# Altium PCB ultra.PcbDoc (part 9 of 9)
Units mm, origin at the board's own origin, x right, y up, seen from the top; angles counter-clockwise.
Board outline 210 x 210 mm, 2 copper layers (Top Layer, Bottom Layer), stack 1.591 mm thick; 722 components, 1083 nets, 2232 pads, 1540 vias.
Unrouted connection lines stored in the file: 21.
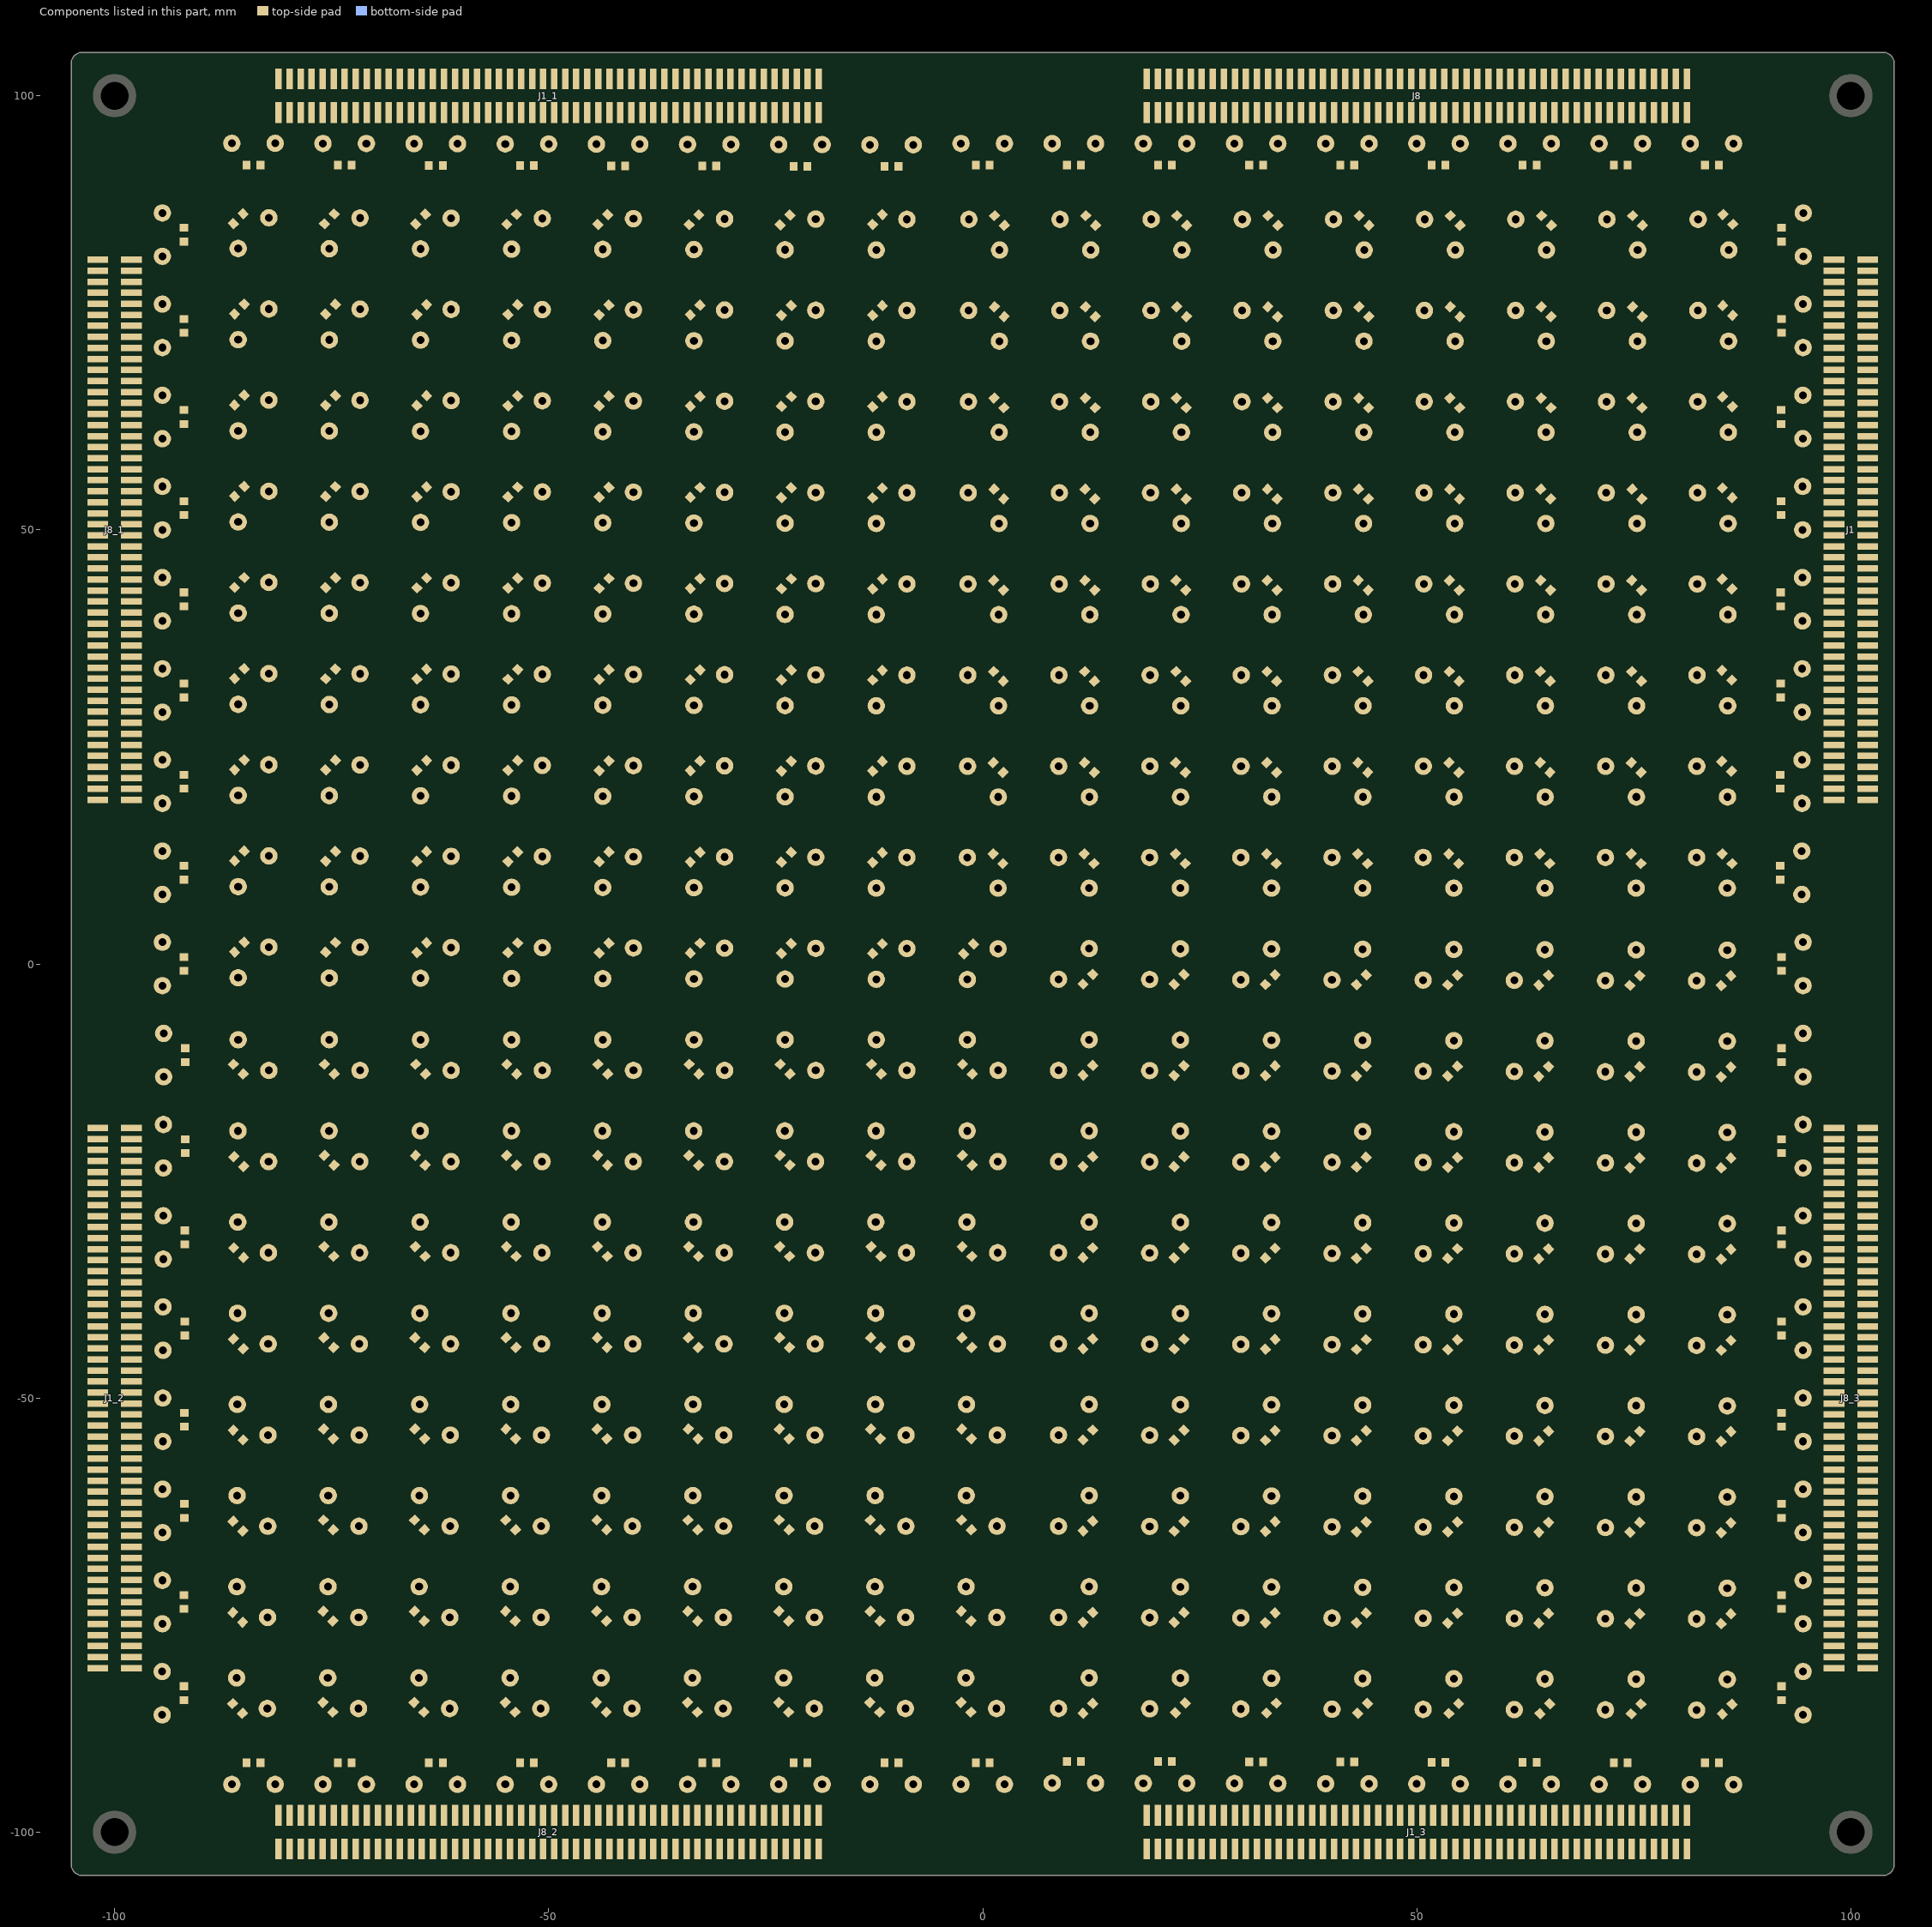
[diagram p9: the components of this part, seen from the top]

## Via types
v1: diameter 0.6, hole 0.3, Top Layer to Bottom Layer, tented both sides, 784 vias
v2: diameter 0.8, hole 0.4, Top Layer to Bottom Layer, tented both sides, 756 vias

## Nets (pads, with @x,y where several pads share a name; then routed paths per layer and width w, separated by ;. In a path a pad name is that pad's centre, name@x,y a point inside that pad or via, vN(x,y) a via of type N, cw(c..) or ccw(c..) an arc to the next point about the centre after c; other vN are vias at no path point) (continued)
copper on no net: (continued)
  Bottom Layer w0.5: v2(-32.893,100) -32.893,97.111 -31.3,95.518 -31.3,94.72 -30.239,93.659 -30.239,93.322 -28.418,91.501 -28.418,87.96 -24.674,84.216 -24.674,81.177 -24.524,81.027 -24.524,80.607 -19.469,75.552 ; v2(-31.623,99.974) -26.95,95.301 -26.95,89.947 -15.936,78.933 -15.936,74.737 -15.85,74.651 -15.85,71.933 -8.708,64.792 ; v2(-31.585,-101.95) -31.585,-101.068 -30.772,-100.255 -30.772,-100.091 -30.304,-99.623 -30.304,-99.374 -29.455,-98.524 -29.206,-98.524 -24.9,-94.218 -24.9,-93.92 -24.08,-93.1 -23.782,-93.1 -21.662,-90.98 -21.662,-84.718 -12.395,-75.452 -12.395,-72.441 ; v2(-31.572,-99.924) -31.524,-99.924 -30.954,-99.354 -30.954,-99.105 -29.724,-97.874 -29.475,-97.874 -25.55,-93.949 -25.55,-93.651 -24.349,-92.45 -24.051,-92.45 -22.312,-90.711 -22.312,-84.237 v2(-15.545,-77.47) ; v2(-31.14,93.396) -31.14,93.304 -29.068,91.231 -29.068,87.691 -25.324,83.947 v2(-25.324,80.696) ; v2(-30.556,95.936) -30.42,95.8 -28.42,95.8 -27.6,94.98 -27.6,89.678 -16.586,78.664 v2(-16.586,70.891) ; v2(-30.302,-101.27) -29.654,-100.622 -29.654,-99.643 -29.186,-99.174 -28.207,-99.174 -26.035,-97.003 -24.023,-97.003 -22.1,-95.08 -22.1,-92.338 -21.012,-91.249 -21.012,-84.987 -1.981,-65.957 -1.981,-61.036 ; v2(-29.134,100.051) -26.3,97.217 -26.3,92.645 -19.723,86.068 ; v2(-29.045,-101.95) -29.045,-101.851 -25.497,-98.303 -23.484,-98.303 -21.6,-96.418 -20.371,-96.418 -18.86,-94.907 ; v2(-28.854,-99.974) -28.704,-99.824 -27.938,-99.824 -25.766,-97.653 -23.753,-97.653 -21.45,-95.349 -21.45,-94.221 v2(-20.93,-93.701) ; v2(-27.788,100) -27.788,99.624 -25.65,97.486 -25.65,95.271 -25.629,95.25 -25.629,93.421 -20.066,87.859 -19.075,87.859 -16.434,85.217 -16.434,82.652 -9.106,75.324 ; v2(-27.775,-101.95) -24.778,-98.953 -23.215,-98.953 -21.331,-97.068 -19.089,-97.068 -12.471,-90.451 -12.471,-81.509 ; v2(-27.305,-45.872) -25.857,-45.872 -15.85,-35.865 -15.85,-29.134 -13.03,-26.314 -6.528,-26.314 v2(-4.445,-24.232) ; v2(-26.505,-101.95) -26.505,-101.599 -24.508,-99.603 -22.946,-99.603 -21.062,-97.718 -18.819,-97.718 -11.043,-89.942 -11.043,-80.791 -1.753,-71.501 ; v2(-26.492,100.076) -23.52,97.104 -23.52,93.675 ; v2(-25.222,-101.727) -23.748,-100.253 -22.677,-100.253 -20.792,-98.368 -11.831,-98.368 -7.823,-94.361 -7.112,-94.361 ; v2(-25.095,99.974) -21.107,95.987 -17.882,95.987 -15.951,94.056 -15.951,92.837 -8.915,85.801 ; v2(-23.952,-101.879) -22.975,-100.903 -22.407,-100.903 -20.792,-99.288 -10.388,-99.288 -5.08,-93.98 -5.08,-85.014 -2.324,-82.258 ; v2(-23.825,100.025) -20.437,96.637 -17.612,96.637 -15.311,94.336 -13.411,94.336 ; 8.103,-1.778 12.691,-1.778 50.06,-39.147 53.259,-39.147 53.474,-38.932 54.848,-38.932 55.062,-39.147 55.885,-39.147 57.328,-40.589 57.328,-40.95 59.832,-43.454 59.832,-44.473 63.517,-48.157 65.886,-48.157 67.468,-49.739 67.468,-52.559 72.206,-57.298 75.002,-57.298 80.597,-62.893 83.081,-62.893 87.03,-66.841 93.862,-66.841 93.92,-66.9 95.08,-66.9 95.085,-66.894 98.39,-66.894 99.276,-67.78 99.276,-67.845 99.961,-68.529 v2(100.025,-68.529) ; 8.23,-12.319 13.421,-12.319 80.696,-79.594 80.696,-91.741 82.9,-93.945 82.9,-95.105 80.65,-97.355 80.65,-100.582 78.423,-102.809 72.481,-102.809 70.028,-100.355 v2(70.028,-99.873) ; 8.255,-33.452 12.243,-33.452 26.416,-47.625 26.416,-54.127 31.868,-59.579 31.868,-61.862 32.688,-62.682 32.688,-62.707 45.389,-75.408 45.389,-82.171 46.145,-82.927 46.145,-87.863 46.094,-87.913 46.094,-92.201 47.2,-93.307 47.2,-95.468 50.673,-98.941 v2(50.673,-100.025) ; 8.708,-64.792 15.85,-71.933 15.85,-74.651 15.936,-74.737 15.936,-78.933 26.95,-89.947 26.95,-95.301 v2(31.623,-99.974) ; 8.732,-43.768 9.148,-43.768 16.332,-50.952 16.332,-53.373 19.83,-56.871 21.539,-56.871 25.692,-61.024 25.692,-64.596 30.814,-69.717 34.208,-69.717 36.79,-72.299 36.79,-90.58 37.652,-91.442 37.843,-91.442 38.1,-91.699 38.1,-95.825 40.236,-97.961 40.236,-99.875 41.453,-101.092 42.393,-101.092 42.951,-100.533 v2(42.951,-99.924) ; 8.915,-85.801 15.951,-92.837 15.951,-94.056 17.882,-95.987 21.107,-95.987 v2(25.095,-99.974) ; 9.042,-54.534 16.18,-61.671 16.18,-64.414 20.117,-68.351 22.479,-68.351 25.502,-71.374 25.502,-78.232 34.19,-86.92 34.19,-91.657 35.5,-92.967 35.5,-96.902 36.83,-98.232 v2(36.83,-99.949) ; 9.093,-22.86 12.446,-22.86 17.832,-28.246 17.832,-33.873 18.652,-34.693 22.704,-34.693 27.682,-39.671 27.682,-44.667 28.883,-45.868 31.456,-45.868 32.495,-46.906 32.495,-47.225 33.725,-48.455 33.937,-48.455 36.785,-51.303 36.785,-55.633 40.788,-59.636 40.788,-61.524 58.168,-78.905 58.168,-80.915 57.8,-81.284 57.8,-92.437 57.15,-93.087 57.15,-96.885 59.919,-99.654 v2(59.919,-99.949) ; 9.106,-75.324 16.434,-82.652 16.434,-85.217 19.075,-87.859 20.066,-87.859 25.629,-93.421 25.629,-95.25 25.65,-95.271 25.65,-97.486 27.788,-99.624 v2(27.788,-100) ; 13.411,-94.336 15.311,-94.336 17.612,-96.637 20.437,-96.637 v2(23.825,-100.025) ; v2(14.376,-6.985) 14.376,-9.417 18.652,-13.693 19.183,-13.693 24.168,-18.677 24.168,-19.233 29.152,-24.218 29.683,-24.218 34.668,-29.202 34.668,-29.758 39.652,-34.743 40.183,-34.743 45.168,-39.727 45.168,-40.283 50.152,-45.268 50.683,-45.268 55.668,-50.252 55.668,-50.808 60.652,-55.793 61.33,-55.793 70.332,-64.795 70.332,-65.498 71.152,-66.318 72.16,-66.318 v2(74.143,-68.301) ; v2(16.586,-70.891) 16.586,-78.664 27.6,-89.678 27.6,-94.98 28.42,-95.8 30.42,-95.8 v2(30.556,-95.936) ; 19.232,-64.77 22.987,-64.77 26.645,-68.428 26.645,-74.244 29.118,-76.718 30.337,-76.718 34.84,-81.22 34.84,-91.388 36.15,-92.698 36.15,-96.633 37.795,-98.278 v2(37.795,-99.924) ; 19.232,-12.243 22.237,-12.243 50.933,-40.939 52.895,-40.939 53.688,-41.732 54.848,-41.732 56.067,-40.513 v2(56.083,-40.513) ; 19.469,-75.552 24.524,-80.607 24.524,-81.027 24.674,-81.177 24.674,-84.216 28.418,-87.96 28.418,-91.501 30.239,-93.322 30.239,-93.659 31.3,-94.72 31.3,-95.518 32.893,-97.111 v2(32.893,-100) ; 19.66,-54.356 23.165,-54.356 27.508,-58.699 27.508,-64.574 29.61,-66.675 33.004,-66.675 38.09,-71.76 38.09,-81.711 39.856,-83.477 40.082,-83.477 40.551,-83.946 40.551,-83.971 42.634,-86.054 42.634,-86.717 42.45,-86.901 42.45,-95.725 42.507,-95.782 42.507,-96.445 42.45,-96.502 42.45,-98.36 43.213,-99.124 43.283,-99.124 43.751,-99.592 43.751,-99.662 43.917,-99.827 v2(43.917,-100.025) ; 19.66,-33.223 22.733,-33.223 28.332,-38.822 28.332,-44.398 29.152,-45.218 31.726,-45.218 33.145,-46.637 33.145,-46.956 33.994,-47.805 34.206,-47.805 37.435,-51.034 37.435,-55.364 41.057,-58.986 44,-58.986 47.382,-62.368 47.382,-67.2 58.818,-78.636 58.818,-81.185 58.45,-81.553 58.45,-92.707 57.8,-93.357 57.8,-96.616 60.884,-99.7 v2(60.884,-100.051) ; 19.685,-22.784 22.967,-22.784 80,-79.817 80,-100.313 78.154,-102.159 73.127,-102.159 v2(70.993,-100.025) ; 19.723,-86.068 26.3,-92.645 26.3,-97.217 v2(29.134,-100.051) ; 19.888,-1.651 23.678,-1.651 47.488,-25.461 55.006,-25.461 58.359,-28.814 58.359,-33.498 61.168,-36.307 66.665,-36.307 68.468,-38.11 68.468,-43.395 68.688,-43.616 68.688,-44.444 70.584,-46.34 78.45,-46.34 85.686,-53.575 94.205,-53.575 94.237,-53.543 95.555,-53.543 v2(100.051,-58.039) ; 23.52,-93.675 23.52,-97.104 v2(26.492,-100.076) ; v2(24.232,-4.445) 26.314,-6.528 26.314,-13.03 29.134,-15.85 35.865,-15.85 45.872,-25.857 v2(45.872,-27.305) ; v2(25.324,-80.696) 25.324,-83.947 29.068,-87.691 29.068,-91.231 31.14,-93.304 v2(31.14,-93.396) ; v2(26.492,-60.808) 26.858,-61.174 26.858,-64.843 31.083,-69.067 34.477,-69.067 37.44,-72.03 37.44,-90.311 37.921,-90.792 38.113,-90.792 40.132,-92.812 v2(40.259,-92.812) ; v2(28.067,-50.216) 28.067,-54.632 29.152,-55.718 30.389,-55.718 37.532,-62.861 37.532,-65.961 40.946,-69.374 43.579,-69.374 47.275,-73.071 47.275,-77.05 46.689,-77.636 46.689,-81.632 47.445,-82.389 47.445,-88.401 47.394,-88.452 47.394,-91.662 48.5,-92.768 48.5,-94.93 49.42,-95.85 51.425,-95.85 v2(51.791,-96.215) ; 29.362,-64.872 33.807,-64.872 38.832,-69.896 38.832,-81.534 40.125,-82.827 40.352,-82.827 41.201,-83.677 41.201,-83.702 43.284,-85.785 43.284,-86.986 43.1,-87.17 43.1,-95.456 43.157,-95.513 43.157,-96.714 43.1,-96.771 43.1,-97.431 45.136,-99.466 v2(45.136,-99.974) ; 29.718,-84.963 29.718,-90.962 31.352,-92.596 31.472,-92.596 31.95,-93.074 31.95,-95.249 33.312,-96.611 33.391,-96.611 34.011,-97.231 v2(34.011,-100.101) ; 29.732,-33.477 32.741,-33.477 63.282,-64.019 63.282,-64.069 79.35,-80.136 79.35,-100.043 77.893,-101.501 73.764,-101.501 v2(72.314,-100.051) ; 29.82,-54.23 38.182,-62.592 38.182,-65.692 41.215,-68.724 43.848,-68.724 47.925,-72.801 47.925,-77.319 47.339,-77.906 47.339,-81.363 48.095,-82.119 48.095,-88.67 48.044,-88.721 48.044,-89.384 48.095,-89.435 48.095,-89.737 48.044,-89.788 48.044,-90.451 48.513,-90.919 48.538,-90.919 51.994,-94.375 51.994,-95.262 53.137,-96.405 v2(53.137,-100) ; 29.972,-22.911 31.78,-22.911 50.458,-41.589 52.625,-41.589 53.419,-42.382 55.117,-42.382 56.011,-41.489 56.947,-41.489 59.182,-43.724 59.182,-44.742 63.248,-48.807 65.617,-48.807 66.818,-50.008 66.818,-52.828 71.937,-57.948 74.732,-57.948 77.318,-60.533 77.318,-62.805 80.868,-66.355 81.746,-66.355 83.532,-68.141 93.323,-68.141 93.382,-68.2 95.618,-68.2 95.624,-68.194 95.865,-68.194 98.689,-71.018 v2(100.025,-71.018) ; 30.048,-75.413 32.131,-75.413 35.141,-78.423 35.141,-79.148 35.49,-79.496 35.49,-91.118 36.8,-92.429 36.8,-96.363 38.786,-98.349 v2(38.786,-99.974) ; 30.099,-43.942 31.369,-43.942 33.795,-46.368 33.795,-46.686 34.263,-47.155 34.476,-47.155 38.085,-50.764 38.085,-55.095 41.326,-58.336 44.269,-58.336 48.032,-62.099 48.032,-65.986 49.614,-67.568 52.369,-67.568 56.582,-71.781 56.582,-75.48 59.468,-78.366 59.468,-81.454 59.1,-81.822 59.1,-92.976 58.45,-93.626 58.45,-96.347 v2(62.078,-99.974) ; 30.328,-12.446 33.553,-12.446 47.219,-26.111 54.737,-26.111 57.709,-29.083 57.709,-33.767 60.898,-36.957 66.396,-36.957 67.818,-38.379 67.818,-43.665 68.038,-43.885 68.038,-44.714 70.315,-46.99 78.181,-46.99 85.417,-54.225 91.745,-54.225 93.92,-56.4 96.862,-56.4 v2(100,-59.538) ; v2(30.455,-103.962) 32.537,-103.962 34.925,-101.575 34.925,-99.797 34.684,-99.555 34.684,-94.488 ; 30.48,-1.829 33.228,-1.829 52.131,-20.732 55.215,-20.732 63.368,-28.885 63.368,-30.437 64.188,-31.257 65.74,-31.257 71.094,-36.612 74.396,-36.612 79.677,-41.893 83.081,-41.893 86.021,-44.832 92.211,-44.832 93.374,-45.995 96.655,-45.995 100.063,-49.403 v2(100.254,-49.403) ; v2(31.521,-87.681) 31.521,-91.846 31.621,-91.946 31.741,-91.946 32.6,-92.805 32.6,-94.98 33.581,-95.961 v2(33.884,-95.961) ; v2(33.147,-87.859) 33.147,-91.973 v2(33.655,-92.481) ; v2(34.595,-46.355) 38.735,-50.495 38.735,-54.825 41.595,-57.686 44.538,-57.686 48.682,-61.83 48.682,-65.717 49.883,-66.918 52.638,-66.918 57.232,-71.512 57.232,-75.211 63.144,-81.123 63.144,-82.714 64.478,-84.047 64.478,-86.282 62.15,-88.61 62.15,-95.914 v2(61.874,-96.19) ; v2(35.865,-99.974) 36.03,-100.14 36.03,-100.28 36.499,-100.749 36.639,-100.749 39.954,-104.064 42.926,-104.064 46.025,-100.965 46.025,-98.704 44.425,-97.104 44.425,-94.209 ; v2(35.941,-78.816) 36.013,-78.816 36.14,-78.943 36.14,-90.849 37.45,-92.16 37.45,-96.094 39.586,-98.23 39.586,-100.144 40.564,-101.122 v2(40.564,-103.073) ; v2(36.932,-59.03) 36.982,-59.03 37.059,-58.953 38.832,-60.727 38.832,-65.423 41.484,-68.074 44.117,-68.074 48.575,-72.532 48.575,-77.589 47.989,-78.175 47.989,-79.915 49.621,-81.547 49.785,-81.547 53.681,-85.442 53.681,-89.996 52.3,-91.376 52.3,-93.242 v2(52.146,-93.396) ; v2(38.252,-89.992) 38.252,-85.75 39.726,-84.277 v2(39.751,-84.277) ; 40.03,-75.819 40.03,-81.813 40.394,-82.177 40.621,-82.177 41.851,-83.407 41.851,-83.433 43.934,-85.516 43.934,-87.255 43.75,-87.439 43.75,-91.695 45.9,-93.845 45.9,-96.192 47.117,-97.409 v2(47.117,-100.025) ; 40.217,-33.359 49.24,-42.382 52.499,-42.382 53.149,-43.032 55.386,-43.032 56.28,-42.139 56.678,-42.139 58.532,-43.993 58.532,-45.011 62.978,-49.457 65.348,-49.457 66.168,-50.277 66.168,-53.098 71.668,-58.598 74.463,-58.598 76.668,-60.802 76.668,-63.074 80.599,-67.005 81.476,-67.005 83.263,-68.791 93.054,-68.791 93.112,-68.85 95.601,-68.85 99.014,-72.263 v2(100,-72.263) ; 40.232,-54.153 43.942,-54.153 49.332,-59.543 49.332,-65.448 50.152,-66.268 52.907,-66.268 57.882,-71.242 57.882,-74.942 60.383,-77.443 61.914,-77.443 66.168,-81.697 66.168,-85.511 62.8,-88.879 62.8,-96.413 63.322,-96.936 v2(63.322,-100.051) ; 40.232,-1.88 43.409,-1.88 53.274,-11.745 55.838,-11.745 60.247,-16.154 66.04,-16.154 68.707,-18.821 68.707,-23.343 71.857,-26.492 76.276,-26.492 77.699,-27.915 77.699,-33.255 79.715,-35.271 89.289,-35.271 90.818,-36.8 95.618,-36.8 100.551,-41.732 v2(101.143,-41.732) ; 40.488,-12.319 42.799,-12.319 52.665,-22.185 55.748,-22.185 62.718,-29.155 62.718,-30.706 63.919,-31.907 65.47,-31.907 70.825,-37.262 74.127,-37.262 79.408,-42.543 82.812,-42.543 85.752,-45.482 91.942,-45.482 93.104,-46.645 96.386,-46.645 99.234,-49.493 99.234,-49.512 99.454,-49.731 99.454,-49.734 99.922,-50.203 99.925,-50.203 100.319,-50.597 v2(100.762,-50.597) ; 40.576,-23.178 48.87,-31.471 54.493,-31.471 63.368,-40.346 63.368,-40.937 64.188,-41.757 64.991,-41.757 67.388,-44.154 67.388,-44.983 74.862,-52.457 76.982,-52.457 80.94,-56.415 93.015,-56.415 93.651,-57.05 95.968,-57.05 99.751,-60.833 v2(100.127,-60.833) ; v2(40.615,-72.873) 41.632,-73.89 41.632,-75.923 41.605,-75.95 v2(41.605,-81.204) ; 40.691,-64.973 40.996,-64.973 41.046,-64.922 41.097,-64.922 41.352,-64.667 41.63,-64.667 49.225,-72.263 49.225,-77.858 48.639,-78.444 48.639,-79.645 49.89,-80.897 50.054,-80.897 54.331,-85.173 54.331,-90.265 52.95,-91.645 52.95,-95.299 54.381,-96.731 v2(54.381,-99.949) ; 40.742,-43.866 42.21,-43.866 62.632,-64.288 62.632,-64.338 78.7,-80.406 78.7,-99.774 77.649,-100.825 76.404,-100.825 76.379,-100.851 74.333,-100.851 v2(73.533,-100.051) ; v2(40.912,-87.355) 40.912,-87.143 41.057,-87.287 41.057,-92.478 41.059,-92.48 41.059,-94.371 41.057,-94.374 41.057,-95.632 40.907,-95.782 40.907,-99.2 41.681,-99.974 v2(41.681,-100.025) ; v2(41.707,-96.114) 41.712,-96.108 41.712,-86.543 41.681,-86.512 41.808,-86.385 v2(41.834,-86.385) ; v2(44.704,-5.359) 44.704,-6.172 47.396,-8.865 47.396,-11.608 49.759,-13.97 56.224,-13.97 56.731,-14.477 56.731,-14.506 78.796,-36.571 88.751,-36.571 90.28,-38.1 95.08,-38.1 95.9,-38.92 95.9,-40.437 95.982,-40.437 95.758,-40.661 v2(95.758,-40.437) ; v2(45.339,-87.503) 45.339,-87.528 44.856,-88.011 44.4,-88.467 44.4,-91.426 46.55,-93.576 46.55,-95.738 48.108,-97.295 v2(48.108,-100.051) ; v2(46.228,-73.355) 46.228,-73.482 46.039,-73.671 46.039,-81.902 46.795,-82.658 46.795,-88.132 46.744,-88.183 46.744,-91.932 47.85,-93.037 47.85,-95.199 49.151,-96.5 50.805,-96.5 51.892,-97.587 v2(51.892,-99.974) ; v2(46.634,-31.674) 53.243,-38.282 55.94,-38.282 58.173,-40.515 60.78,-40.515 61.418,-41.153 61.418,-41.745 65.228,-45.555 65.768,-45.555 74.544,-54.331 75.413,-54.331 75.472,-54.39 76.867,-54.39 80.193,-57.716 81.278,-57.716 81.28,-57.715 81.653,-57.715 81.654,-57.716 82.193,-57.716 82.194,-57.715 92.477,-57.715 93.112,-58.35 94.494,-58.35 v2(96.901,-60.757) ; v2(48.158,-51.562) 48.311,-51.562 49.332,-52.583 49.332,-54.948 50.152,-55.768 51.191,-55.768 59.182,-63.759 59.182,-69.444 70.955,-81.217 70.955,-81.738 71.918,-82.701 71.918,-83.77 73.215,-85.067 73.215,-90.425 71.578,-92.062 71.458,-92.062 69.6,-93.92 69.6,-95.08 70.761,-96.241 v2(71.577,-96.241) ; v2(48.844,-90.119) 52.273,-90.119 v2(52.73,-89.662) ; v2(48.844,-89.052) 48.997,-89.205 v2(51.765,-89.205) ; v2(49.454,-82.347) 50.851,-83.744 50.851,-85.868 ; v2(50.063,-77.775) 50.063,-77.939 49.289,-78.713 49.289,-79.376 50.159,-80.247 52.815,-80.247 v2(53.264,-80.696) ; v2(50.089,-79.045) 55.296,-79.045 56.5,-80.249 56.5,-80.264 56.667,-80.264 v2(56.718,-80.315) ; 50.114,-33.401 55.504,-33.401 62.718,-40.615 62.718,-41.206 63.919,-42.407 64.51,-42.407 66.058,-43.955 66.27,-43.955 66.738,-44.423 66.738,-45.252 74.593,-53.107 76.713,-53.107 80.671,-57.065 92.746,-57.065 93.382,-57.7 95.698,-57.7 v2(100.051,-62.052) ; 50.267,-1.93 54.305,-1.93 64.222,-11.847 65.831,-11.847 73.868,-19.883 73.868,-19.962 74.688,-20.782 74.767,-20.782 81.975,-27.991 87.736,-27.991 90.399,-30.653 94.895,-30.653 99.624,-35.382 v2(100.051,-35.382) ; 50.343,-43.866 56.021,-43.866 63.368,-51.213 63.368,-51.437 64.188,-52.257 64.408,-52.257 73.868,-61.717 73.868,-61.962 74.688,-62.782 75.457,-62.782 80.366,-67.691 81.243,-67.691 81.801,-68.249 81.801,-68.73 82.512,-69.441 92.785,-69.441 92.843,-69.5 95.332,-69.5 99.797,-73.965 v2(99.847,-73.965) ; 50.721,-54.379 59.832,-63.49 59.832,-65.473 60.652,-66.293 61.716,-66.293 69.639,-74.215 69.639,-76.223 73.868,-80.452 73.868,-82.962 75.165,-84.26 75.165,-93.135 74.6,-93.7 74.6,-99.924 v2(74.727,-100.051) ; 50.732,-64.922 54.254,-64.922 58.532,-69.2 58.532,-74.672 60.652,-76.793 62.183,-76.793 66.818,-81.428 66.818,-85.781 63.45,-89.148 63.45,-96.144 64.287,-96.982 v2(64.287,-100.025) ; 50.952,-12.395 55.568,-12.395 57.381,-14.208 57.381,-14.237 79.065,-35.921 89.02,-35.921 90.549,-37.45 95.349,-37.45 99.924,-42.024 v2(99.924,-43.028) ; 51.206,-22.835 55.478,-22.835 62.068,-29.424 62.068,-30.976 63.649,-32.557 65.201,-32.557 74.636,-41.992 76.297,-41.992 78.045,-43.74 79.527,-43.74 81.92,-46.132 91.672,-46.132 92.84,-47.3 96.122,-47.3 98.584,-49.763 98.584,-49.781 98.804,-50.001 98.804,-50.004 99.653,-50.853 99.656,-50.853 100.05,-51.247 100.28,-51.247 100.43,-51.397 100.488,-51.397 100.958,-51.867 v2(101.244,-51.867) ; 51.308,-75.413 53.757,-75.413 57.518,-79.174 57.518,-80.646 57.15,-81.014 57.15,-82.017 55.651,-83.515 55.651,-89.863 53.6,-91.915 53.6,-95.03 55.728,-97.157 55.728,-98.949 55.359,-99.317 55.359,-100.306 55.728,-100.674 55.651,-100.75 v2(55.651,-103.353) ; v2(55.499,-35.331) 56.515,-35.331 62.068,-40.884 62.068,-41.476 63.649,-43.057 64.241,-43.057 v2(65.938,-44.755) ; v2(55.931,-14.808) 56.113,-14.808 78.527,-37.221 88.482,-37.221 92.256,-40.996 v2(93.802,-40.996) ; v2(56.159,-99.974) 56.309,-99.824 56.309,-99.286 56.439,-99.157 56.439,-92.879 57.15,-92.168 57.15,-83.591 57.125,-83.566 v2(56.947,-83.566) ; 56.769,-102.387 56.769,-100.496 56.959,-100.306 56.959,-99.555 57.328,-99.187 58.318,-99.187 58.801,-99.67 58.801,-100.051 60.274,-101.524 66.206,-101.524 67.274,-100.456 67.274,-95.6 67.55,-95.324 67.55,-93.511 71.526,-89.535 v2(71.526,-89.484) ; 56.832,-102.324 57.963,-103.454 v2(58.242,-103.454) ; v2(57.125,-46.101) 57.333,-46.101 62.718,-51.486 62.718,-51.706 63.919,-52.907 64.139,-52.907 73.218,-61.986 73.218,-62.231 74.419,-63.432 74.664,-63.432 78.753,-67.521 78.753,-67.54 84.52,-73.307 86.348,-73.307 86.655,-73 88.443,-73 88.75,-73.307 95.537,-73.307 95.763,-73.533 v2(96.266,-73.533) ; v2@57.975,-100.47 60.02,-102.514 67.081,-102.514 68.25,-101.346 68.25,-99.314 68.58,-98.984 68.58,-93.929 v2(71.247,-91.262) ; v2(60.122,-82.093) 60.122,-82.663 59.779,-83.006 59.779,-84.595 60.922,-85.738 ; v2(60.173,-68.199) 60.173,-68.351 60.147,-68.377 63.368,-71.597 63.368,-72.71 71.755,-81.097 v2(71.755,-81.407) ; v2(60.274,-80.975) 60.33,-80.975 v2@62.84,-83.485 ; v2(60.579,-83.337) 61.48,-83.337 62.521,-84.379 v2(63.678,-84.379) ; v2(60.604,-91.313) 60.604,-92.391 59.1,-93.895 59.1,-95.055 59.92,-95.875 60.29,-95.875 v2(60.808,-96.393) ; 61.011,-33.503 65.227,-33.503 74.367,-42.642 76.027,-42.642 77.775,-44.39 79.258,-44.39 81.65,-46.782 91.403,-46.782 92.571,-47.95 95.852,-47.95 97.934,-50.032 97.934,-50.05 98.154,-50.27 98.154,-50.273 99.384,-51.503 99.387,-51.503 99.781,-51.897 100.011,-51.897 100.161,-52.047 100.219,-52.047 100.698,-52.526 100.698,-52.805 101.08,-53.188 v2(103.2,-53.188) ; 61.036,-1.981 65.957,-1.981 84.987,-21.012 91.249,-21.012 92.338,-22.1 95.08,-22.1 97.003,-24.023 97.003,-26.035 99.174,-28.207 99.174,-29.186 99.643,-29.654 100.622,-29.654 v2(101.27,-30.302) ; 61.122,-44.003 64.627,-47.507 66.202,-47.507 71.712,-53.018 72.312,-53.018 74.334,-55.04 76.597,-55.04 79.924,-58.366 82.462,-58.366 82.464,-58.365 86.544,-58.365 91.456,-63.277 91.985,-63.277 93.112,-62.15 95.888,-62.15 96.524,-62.787 96.968,-62.787 97.834,-63.652 v2(100,-63.652) ; 61.443,-23.292 68.174,-30.023 70.409,-30.023 78.257,-37.871 88.212,-37.871 92.141,-41.8 95.904,-41.8 96.16,-42.055 96.98,-42.055 98.474,-43.549 98.474,-43.628 99.473,-44.628 v2(100.025,-44.628) ; 61.519,-12.497 65.562,-12.497 73.218,-20.152 73.218,-20.231 74.419,-21.432 74.498,-21.432 84.373,-31.307 86.348,-31.307 86.352,-31.303 94.625,-31.303 v2(100,-36.678) ; 61.595,-75.286 67.468,-81.158 67.468,-86.05 64.1,-89.418 64.1,-95.875 65.405,-97.18 v2(65.405,-99.822) ; 61.62,-65.278 70.289,-73.946 70.289,-75.954 71.152,-76.818 72.52,-76.818 77.4,-81.697 77.4,-95.08 76.048,-96.432 v2(76.048,-100.051) ; 61.671,-55.042 68.494,-61.864 71.257,-61.864 71.918,-62.525 71.918,-62.77 73.88,-64.732 74.125,-64.732 75.463,-66.07 75.463,-66.864 75.451,-66.877 75.451,-67.54 80.832,-72.921 80.832,-76.22 82.012,-77.4 98.216,-77.4 v2(100.051,-75.565) ; v2(62.84,-83.566) v2@62.84,-83.485 ; v2@62.84,-83.414 v2@62.84,-83.485 ; 65.354,-95.174 65.354,-89.083 68.118,-86.319 68.118,-83.444 v2(69.825,-81.737) ; v2(66.446,-100.152) 66.624,-100.152 66.624,-95.331 66.9,-95.055 66.9,-88.853 69.825,-85.928 71.374,-85.928 ; v2(66.624,-56.667) 66.98,-56.667 72.568,-62.255 72.568,-62.501 74.149,-64.082 74.395,-64.082 78.103,-67.79 78.103,-67.809 84.251,-73.957 87.192,-73.957 87.476,-73.673 88.139,-73.673 88.424,-73.957 95.268,-73.957 v2(96.164,-74.854) ; v2(67.183,-72.923) 67.158,-72.949 67.158,-75.581 72.568,-80.991 72.568,-83.501 73.865,-84.798 73.865,-92.597 73.3,-93.162 73.3,-94.086 v2(73.05,-94.336) ; v2(68.174,-73.939) 68.174,-75.677 73.218,-80.722 73.218,-83.231 74.515,-84.529 74.515,-92.866 73.95,-93.431 73.95,-94.935 v2(73.508,-95.377) ; v2(69.063,-100.203) 69.228,-100.368 69.228,-100.724 71.963,-103.459 78.692,-103.459 81.3,-100.851 81.3,-97.624 83.55,-95.374 83.55,-94.758 v2(84.455,-93.853) ; v2(70.155,-87.986) 71.831,-87.986 72.365,-88.519 v2(72.415,-88.519) ; v2(70.307,-103.683) 70.409,-103.683 70.835,-104.109 78.962,-104.109 81.95,-101.12 81.95,-99.355 86.385,-94.92 ; 71.501,-1.753 80.791,-11.043 89.942,-11.043 97.718,-18.819 97.718,-21.062 99.603,-22.946 99.603,-24.508 101.599,-26.505 v2(101.95,-26.505) ; 71.619,-64.627 80.182,-73.19 80.182,-76.626 81.606,-78.05 99.826,-78.05 v2(99.974,-77.902) ; 71.732,-23.038 75.184,-23.038 84.103,-31.957 86.617,-31.957 86.621,-31.953 89.417,-31.953 92.964,-35.5 96.157,-35.5 98.477,-37.821 v2(100.076,-37.821) ; 71.831,-33.63 74.163,-35.962 74.666,-35.962 77.225,-38.521 87.943,-38.521 91.872,-42.45 95.635,-42.45 95.89,-42.705 96.711,-42.705 97.824,-43.818 97.824,-43.897 99.57,-45.644 v2(100.076,-45.644) ; 72.111,-43.942 75.489,-43.942 77.237,-45.69 78.72,-45.69 81.112,-48.082 85.842,-48.082 90.035,-52.275 93.666,-52.275 93.698,-52.243 97.166,-52.243 99.23,-54.307 99.773,-54.307 v2(100.051,-54.585) ; 72.187,-54.966 73.12,-55.899 75.457,-55.899 75.665,-55.69 76.328,-55.69 79.655,-59.016 82.731,-59.016 82.733,-59.015 86.274,-59.015 91.187,-63.927 92.254,-63.927 93.382,-62.8 95.618,-62.8 96.255,-63.437 96.699,-63.437 97.905,-64.643 v2(100,-64.643) ; 72.2,-75.578 78.05,-81.428 78.05,-99.293 v2(77.318,-100.025) ; 72.441,-12.395 75.452,-12.395 84.718,-21.662 90.98,-21.662 93.1,-23.782 93.1,-24.08 93.92,-24.9 94.218,-24.9 98.524,-29.206 98.524,-29.455 99.374,-30.304 99.623,-30.304 100.091,-30.772 100.255,-30.772 101.068,-31.585 v2(101.95,-31.585) ; v2(73.457,-42.977) 73.772,-43.292 75.758,-43.292 77.506,-45.04 78.989,-45.04 81.381,-47.432 91.134,-47.432 92.302,-48.6 95.583,-48.6 97.284,-50.301 97.284,-50.322 99.509,-52.547 99.742,-52.547 99.898,-52.703 v2(99.898,-52.857) ; v2(75.997,-56.49) 75.997,-57.221 78.442,-59.666 83.001,-59.666 83.002,-59.665 86.005,-59.665 90.918,-64.577 92.524,-64.577 93.651,-63.45 95.349,-63.45 96.136,-64.237 v2(96.368,-64.237) ; 76.022,-94.082 v2(76.022,-89.535) ; v2(76.251,-67.208) 76.352,-67.208 83.751,-74.607 87.673,-74.607 v2(87.808,-74.473) ; v2(77.47,-15.545) 84.237,-22.312 90.711,-22.312 92.45,-24.051 92.45,-24.349 93.651,-25.55 93.949,-25.55 97.874,-29.475 97.874,-29.724 99.105,-30.954 99.354,-30.954 99.924,-31.524 v2(99.924,-31.572) ; v2(78.232,-62.408) 79.367,-63.543 82.812,-63.543 86.761,-67.491 93.592,-67.491 93.651,-67.55 95.349,-67.55 95.355,-67.544 96.134,-67.544 98.338,-69.748 v2(100.076,-69.748) ; v2(81.001,-68.605) 80.756,-68.605 82.242,-70.091 91.275,-70.091 v2(93.116,-71.933) ; v2(81.509,-82.677) 81.382,-82.804 81.382,-82.931 83.591,-82.931 v2(88.316,-87.655) ; 81.509,-12.471 90.451,-12.471 97.068,-19.089 97.068,-21.331 98.953,-23.215 98.953,-24.778 v2(101.95,-27.775) ; 81.636,-33.503 88.691,-33.503 91.338,-36.15 95.888,-36.15 98.955,-39.218 v2(100.025,-39.218) ; 81.737,-85.954 84.506,-85.954 89.078,-90.526 89.078,-97.866 84.43,-102.514 v2(84.43,-102.667) ; 81.924,-57.066 81.925,-57.065 ; 82.258,-2.324 85.014,-5.08 93.98,-5.08 99.288,-10.388 99.288,-20.792 100.903,-22.407 100.903,-22.975 v2(101.879,-23.952) ; 82.702,-22.962 90.441,-22.962 91.8,-24.32 91.8,-24.618 93.382,-26.2 93.68,-26.2 95.9,-28.42 95.9,-28.819 v2(100,-32.918) ; v2(83.972,-50.216) 83.972,-50.19 84.656,-49.507 86.348,-49.507 89.766,-52.925 93.935,-52.925 93.968,-52.893 96.212,-52.893 99.071,-55.753 v2(100.051,-55.753) ; v2(84.607,-63.068) 86.766,-65.227 92.793,-65.227 93.92,-64.1 95.08,-64.1 96.574,-65.594 98.929,-65.594 99.247,-65.913 v2(100.051,-65.913) ; v2(84.912,-42.291) 84.963,-42.291 85.772,-43.1 95.366,-43.1 95.621,-43.355 96.441,-43.355 97.174,-44.088 97.174,-44.167 99.895,-46.888 v2(99.974,-46.888) ; v2(89.306,-70.891) 90.881,-70.891 v2@92.05,-72.06 ; v2(89.764,-50.419) 90.413,-51.069 92.266,-51.069 92.266,-51.157 92.734,-51.625 93.397,-51.625 93.429,-51.593 95.143,-51.593 v2(95.834,-50.902) ; v2(91.161,-58.598) 91.161,-61.671 v2@91.719,-62.23 ; v2(91.618,-49.047) 91.618,-49.098 93.167,-50.647 93.167,-50.749 93.142,-50.749 v2(93.066,-50.825) ; v2(93.701,-20.93) 94.221,-21.45 95.349,-21.45 97.653,-23.753 97.653,-25.766 99.824,-27.938 99.824,-28.704 v2(99.974,-28.854) ; 93.955,-65.684 94.515,-66.244 ; 94.132,-50.102 96.166,-50.102 96.634,-50.57 96.634,-50.592 99.098,-53.056 99.098,-53.189 99.567,-53.657 100.043,-53.657 100.17,-53.785 100.758,-53.785 100.811,-53.838 102.719,-53.838 102.869,-53.988 103.532,-53.988 103.735,-53.785 103.797,-53.785 103.797,-53.722 104,-53.519 104,-52.856 101.562,-50.418 101.562,-50.265 101.143,-49.846 v2(101.143,-48.108) ; 94.259,-71.272 94.742,-71.272 96.203,-72.733 96.597,-72.733 98.629,-74.765 100.179,-74.765 100.94,-74.004 100.94,-68.047 100.406,-67.513 v2(100.076,-67.513) ; 94.361,-7.112 94.361,-7.823 98.368,-11.831 98.368,-20.792 100.253,-22.677 100.253,-23.748 v2(101.727,-25.222) ; 94.704,-81.978 95.834,-83.109 v2(95.834,-84.303) ; 94.907,-29.4 99.619,-34.112 v2(99.974,-34.112) ; 94.907,-18.86 96.418,-20.371 96.418,-21.6 98.303,-23.484 98.303,-25.497 101.851,-29.045 v2(101.95,-29.045) ; 95.098,-60.63 95.968,-61.5 96.157,-61.5 96.793,-62.137 97.237,-62.137 97.559,-62.459 99.326,-62.459 99.719,-62.852 100.382,-62.852 101.067,-62.168 101.067,-57.887 v2(100.178,-56.998) ; 96.609,-41.225 97.069,-41.225 99.124,-43.28 99.124,-43.359 99.592,-43.828 101.028,-43.828 101.067,-43.866 102.718,-42.215 v2(102.718,-40.513)
  other v2: -72.238,-92.05 -62.205,-91.923 92.05,-72.238 91.923,-62.205 -91.923,62.205 -92.05,72.238

## Polygon pours and split planes (outlines as drawn)
GND on Top Layer "Top Layer-No Net" (solid, remove dead copper, pour order 0): 105,-105 -105,-105 -105,105 105,105
GND on Bottom Layer "Top Layer-No Net" (solid, remove dead copper, pour order 2): 105,105 -105,105 -105,-105 105,-105

## Silkscreen, mask and mechanical layers (free items; w line width, h text height)
Top Overlay:
  circle w1: c100,100 r3.702
  text "-INPUT-" at 11.4,101.6 h7 r180
  text "-INPUT-" at -101.6,11.4 h7 r270
  text "-INPUT-" at 101.6,-11.4 h7 r90
  text "-INPUT-" at -11.4,-101.6 h7
Bottom Overlay:
  circle w1: c100,100 r3.702
  text "Niklas Fauth   Ultrasonic Phased Array   2017" at 44.6,-103.4 h5
Mechanical 1:
  the board outline again, w0.2